# Allegro board Coral-Dev-Board-Mini-layout-Allegro.brd (continued)
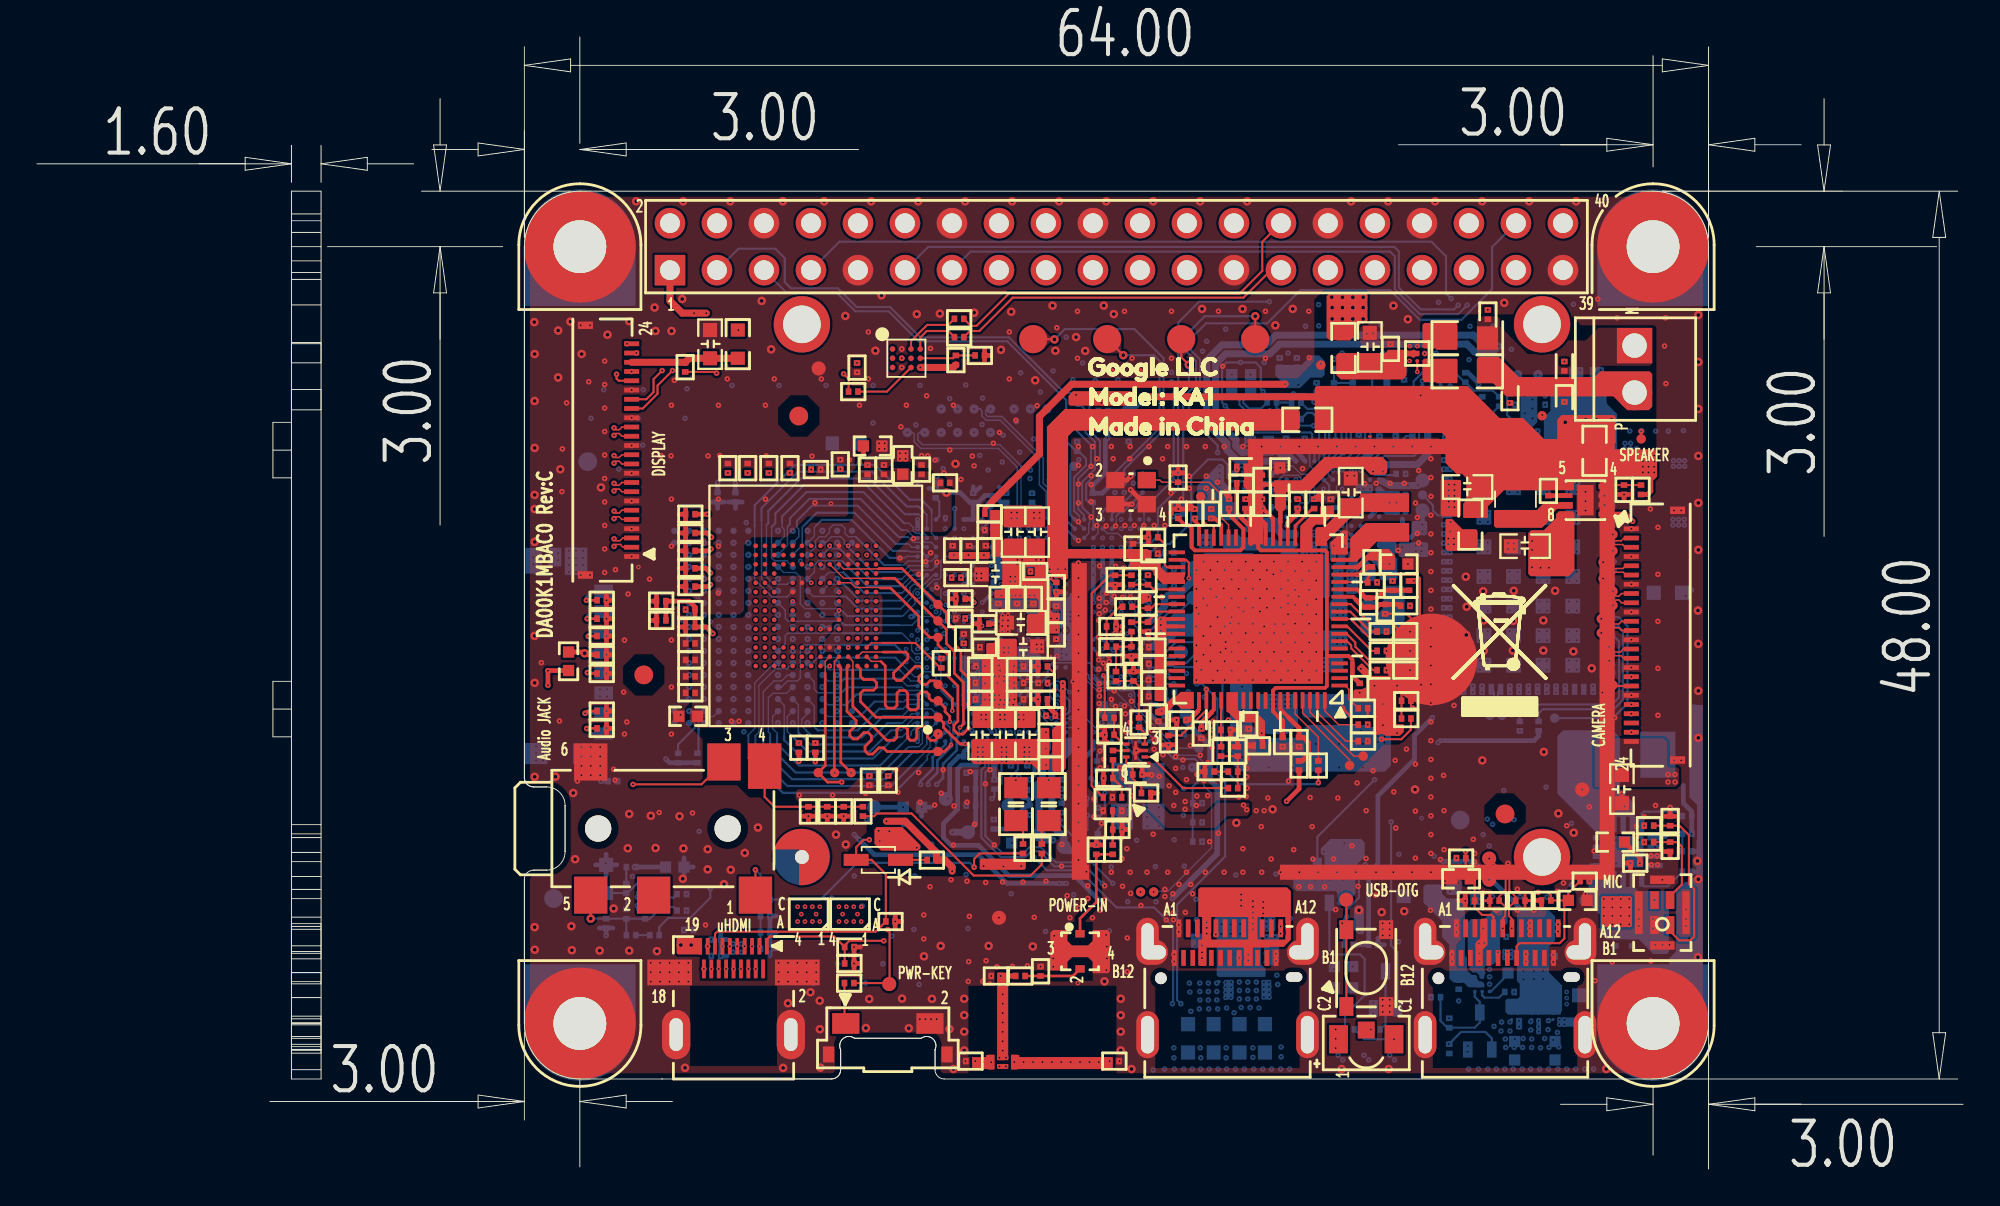
[diagram p0: board, top side]
## Placement (name value [footprint] x y rotation side) (continued)
R132  0_5%  [R0201]  57.28 20.54 90 bottom
R133  0_1%  [R0603]  71.94 31.4 270 bottom
R134  0_5%  [R0201]  87.12 17.67 180 top
R137  1K_1%  [R0201]  43.89 10.05 0 top
R140  0_5%  [R0201]  66.43 36.66 180 bottom
R141  0_5%  [R0201]  87.12 18.56 180 top
R151  *NM  [R0201]  43.9 12 0 top
R152  *NM  [R0201]  76.32 6.5 90 bottom
R153  0_5%  [R0402]  76.63 14.63 90 bottom
R160  0_5%  [R0201]  63.69 31.96 90 bottom
R161  0_5%  [R0201]  61.95 35.66 90 bottom
R162  5.1K_1%  [R0402]  70.61 9.8 180 bottom
R163  5.1K_1%  [R0402]  70.61 10.94 0 bottom
R164  0_5%  [R0201]  44.11 42.03 180 top
R165  *NM  [R0201]  78.11 41.5 270 bottom
R166  *NM  [R0201]  79.02 41.5 270 bottom
R167  0  [R0603]  84.18 38.83 270 top
R168  0_5%  [R0201]  80.14 23.95 270 bottom
R169  *NM  [R0402]  76.96 15.69 0 top
R170  *NM  [R0402]  83.26 14.52 180 top
R171  0_5%  [R0201]  49.66 43.73 90 top
R172  0_5%  [R0201]  49.84 45.97 0 top
R173  0_5%  [R0201]  49.84 44.98 0 top
R174  *NM  [R0201]  50.95 43.99 0 top
R175  0_1%  [R0603]  43.74 39.24 180 bottom
R176  *NM  [R0201]  83.64 15.56 0 top
R177  *NM  [R0201]  76.96 16.81 180 top
R178  0_5%  [R0201]  35.03 43.35 90 top
R179  0_5%  [R0201]  73.88 42.92 90 bottom
R180  *NM  [R0201]  62.71 19.78 0 bottom
R181  *NM  [R0201]  62.71 17.7 180 bottom
R182  0_5%  [R0201]  49.68 31.97 180 top
R183  *NM  [R0201]  59 39.59 270 bottom
SHIELDING  Shielding  [PINGBIAOZHAO-20X24MM]  65.83 27.55 0 top
SW1  TBC  [SW4-6_2X3_5MM-P004000]  45.98 7.87 0 top
SW2  TAH1QR  [SW4-PTS810SJM250SMTRLFS]  71.84 10.86 90 top
TP1  *TP  [TP2050]  85.17 26.16 0 top
TP2  *TP  [TP2050]  70.18 40.99 90 bottom
TP3  *TP  [TP2050]  71.78 40.68 90 bottom
TP4  *TP  [TP2050]  51.49 35.91 180 bottom
TP5  *TP  [TP2050]  71.19 40.99 90 bottom
TP7  *TP  [TP2050]  85.17 30.47 0 top
TP8  *TP  [TP2050]  55.19 37.43 180 bottom
TP9  *TP  [TP2050]  55.42 38.73 180 bottom
TP10  *TP  [TP2050]  56.03 37.99 180 bottom
TP11  *TP  [TP2050]  56.26 41.45 180 bottom
TP12  *TP  [TP2050]  85.17 34.31 0 top
TP13  *TP  [TP2050]  85.17 33.42 0 top
TP14  *TP  [TP2050]  84.64 32.81 0 top
TP15  *TP  [TP2050]  84.64 31.92 0 top
TP16  *TP  [TP2050]  84.97 28.24 0 top
TP17  *TP  [TP2050]  84.97 27.47 0 top
TP18  *TP  [TP2050]  84.54 29.75 0 top
TP19  *TP  [TP2050]  84.54 28.98 0 top
TP20  *TP  [TP2050]  85.17 31.24 0 top
TP21  *TP  [TP2050]  48.69 28.74 0 top
TP22  *TP  [TP2050]  48.69 29.63 0 top
TP23  *TP  [TP2050]  48.69 30.52 0 top
TP24  *TP  [TP2050]  42.22 21.43 0 top
TP25  *TP  [TP2050]  43.11 21.43 0 top
TP26  *TP  [TP2050]  48.69 23.54 0 top
TP27  *TP  [TP2050]  48.69 26.2 0 top
TP28  *TP  [TP2050]  48.69 25.31 0 top
TP29  *TP  [TP2050]  44 21.43 0 top
TP30  *TP  [TP2050]  48.69 22.57 0 top
TP31  *TP  [TP2050]  48.69 24.42 0 top
TP32  *TP  [TP2050]  71.67 22.32 0 top
TP33  *TP  [TP2050]  70.94 21.81 0 top
TP34  *TP  [TP3050]  83.51 20.52 0 top
TP37  *TP  [TP2050]  50.64 39.82 180 bottom
TP38  *TP  [TP2050]  50.64 41.09 180 bottom
TP39  *TP  [TP2050]  49.75 41.09 180 bottom
TP40  *TP  [TP2050]  47.04 39.82 180 bottom
TP41  *TP  [TP2050]  49.75 39.82 180 bottom
TP42  *TP  [TP2050]  51.53 39.82 180 bottom
TP43  *TP  [TP2050]  51.53 41.09 180 bottom
TP44  *TP  [TP2050]  48.87 41.09 180 bottom
TP45  *TP  [TP2050]  47.98 39.82 180 bottom
TP46  *TP  [TP2050]  48.87 39.82 180 bottom
TP47  *TP  [TP3050]  51.99 13.58 0 top
TP48  *TP  [TP3050]  78.48 15.64 0 top
TP49  *TP  [TP3050]  78.48 16.78 0 top
TP50  *TP  [BALL60-NPN]  53.84 44.87 0 top
TP51  *TP  [BALL60-NPN]  57.84 44.87 0 top
TP52  *TP  [BALL60-NPN]  61.84 44.87 0 top
TP53  *TP  [BALL60-NPN]  65.84 44.87 0 top
TP54  *TP  [TP2050]  78.52 24.53 315 bottom
TP55  *TP  [TP2050]  79.17 24.53 315 bottom
TP56  *TP  [TP3050]  42.24 43.28 0 top
TP57  *TP  [TP2050]  62.89 36.35 0 top
TP58  *TP  [TP3050]  46.06 10 0 top
TP59  *TP  [TP3050]  67.18 29.51 180 bottom
TP62  *TP  [TP2050]  53.69 41.09 180 bottom
TP63  *TP  [TP2050]  54.58 41.09 180 bottom
TP64  *TP  [TP2050]  52.8 41.09 180 bottom
TP65  *TP  [TP3050]  73.94 40.68 180 bottom
TP66  *TP  [TP3050]  74.88 35.6 180 bottom
TP67  *TP  [TP3050]  50.31 18.21 180 bottom
TP68  *TP  [TP3050]  59 40.99 180 bottom
TP69  *TP  [TP3050]  86.59 13.79 180 bottom
TP70  *TP  [TP3050]  66.47 28.6 180 bottom
TP72  *TP  [TP3050]  80.44 12.42 180 bottom
TP76  *TP  [TP3050]  64.51 14.63 0 top
TP77  *TP  [TP3050]  65.25 29.41 180 bottom
TP78  *TP  [TP3050]  67.08 23.9 180 bottom
TP79  *TP  [TP3050]  45.24 19.56 180 bottom
TP80  *TP  [TP3050]  49.12 20.01 180 bottom
TP81  *TP  [TP3050]  72.93 40.68 180 bottom
TP82  *TP  [TP3050]  52.5 19.65 180 bottom
TP83  *TP  [TP3050]  64.86 40.31 180 bottom
TP84  *TP  [TP3050]  72.93 41.78 180 bottom
TP85  *TP  [TP3050]  74.88 37.23 180 bottom
TP86  *TP  [TP3050]  55.49 17.42 180 bottom
TP87  *TP  [TP3050]  54.15 18.08 180 bottom
TP88  *TP  [TP3050]  69.06 43.51 180 bottom
TP95  *TP  [TP3050]  62.57 32.5 180 bottom
TP97  *TP  [TP2050]  80.01 42.95 180 bottom
TP98  *TP  [TP2050]  82.02 24.38 180 bottom
TP99  *TP  [TP2050]  74.88 36.44 180 bottom
TP101  *TP  [TP2050]  62.79 22.75 180 bottom
TP102  *TP  [TP2050]  62.45 21.71 180 bottom
TP103  *TP  [TP2050]  60.35 14.98 0 top
TP104  *TP  [TP2050]  59.64 14.98 0 top
TP107  *TP  [TP3050]  70.75 14.56 0 top
TP109  *TP  [TP2050]  81.12 42.95 180 bottom
TP110  *TP  [TP2050]  69.38 43.46 0 top
TP111  *TP  [TP2050]  81.34 40.72 0 top
TP112  *TP  [TP3050]  61.82 27.94 180 bottom
TP113  *TP  [TP3050]  62.49 30.88 180 bottom
TP114  *TP  [TP2050]  86.7 39.48 0 top
U1  MT6392  [TFBGA98-0_5MM-MT6392A]  70.04 35.77 0 bottom
U2  MAX40200  [BGA4-0_35MM-WLP]  80.96 8.25 270 bottom
U3  MAX40200  [BGA4-0_35MM-WLP]  82.1 8.25 270 bottom
U4  MAX40200  [BGA4-0_35MM-WLP]  64.06 10.31 270 bottom
U5  NLSX4378ABFCT1G  [UCSP12-BGA-MAX3390EEBC]  59.01 37.07 90 bottom
U6  MT8167s  [TFBGA406-0_5MM-MT85167S]  53.84 29.12 0 bottom
U7  MAX40200  [BGA4-0_35MM-WLP]  66.1 10.31 270 bottom
U8  MT7658  [QFN76-0_4MM-MT7658]  66 29.74 90 top
U9  EMMC08G-M325-A53  [KLM8G1WEMB-B03]  42.09 30.44 180 top
U11  DP1608-A2455DTA2  [RN2X3-0_5MM-DP1608-A2455DTA2]  58.12 19.73 0 top
U12  PCMF2HDMI2SZ  [WLCSP10_0P4_1P2X1P6MM_SMDP]  41.71 13.78 180 top
U15  SKY13585_679LF  [SOT6-0_35MM-SKY13585_679LF]  59.37 22.63 180 top
U16  SPK0415HM4H-B  [MIC8-SPK0415HM4H-B]  87.84 13.86 180 top
U17  *NM  [DSBGA9-TPA2011D1-YFF]  74.6 44.09 270 top
U18  PCMF2HDMI2SZ  [WLCSP10_0P4_1P2X1P6MM_SMDP]  43.94 13.78 180 top
U20  NX5P3090UK  [WLCSP12_0P4_1P38X1P68MM_SMDP]  78.1 10.19 90 bottom
U21  NLSX4378ABFCT1G  [UCSP12-BGA-MAX3390EEBC]  75.62 41.83 90 bottom
U24  ANT162442DT-2001A2  [ANT162442DT-2001A2-R]  54.34 8.9 180 top
U25  MM8030-2610  [RF-MM8030-2600RK0-4P]  56.37 11.77 0 top
U26  TPS62130ARGTR  [QFN16-3X3-5-17P-TLV62130RGTR]  85.97 17.15 0 bottom
U29  TLV62084DSG  [WSON8-0_5MM-TLV62080DSGR]  83.69 36.16 90 top
U30  A71CH  [A71CH-WLCSP12]  46.99 43.84 0 top
U31  G313-06329-00  [QFN120_0P5_10X15]  80.6 32.84 180 bottom
U32  *NM  [BGA4-0_35MM-WLP]  79.86 8.25 270 bottom
U33  *NM  [BGA4-0_35MM-WLP]  66.24 12.77 0 bottom
U501  LPDDR3BGA178  [FBGA_178P_1100X1150]  39.24 29.31 0 bottom
Y1  XTAL 26MHz  [XTL-2_5X2-1_7X1_3-4P]  59.13 36.6 180 top
Y3  XTAL 26MHZ  [XTL-3_2X2_5-2_2X1_7]  59.49 20.16 270 bottom

## Library data of the parts
C1-C21 C29-C84 C100 C106 C114 C127 C154-C160 C163-C171 C176 C178-C183 C187-C197 C199-C207 C209-C216 C218-C220 C223-C259 C261-C275 C278-C292 C516-C526 = CAP_NON-POL
C22-C24 C95 C99 C105 = CAP_NON-POL: signal model: R0201_ERJ-1GN0R00C
CON1 = HDMI_CONN
D2 = D-LED
D4 = SCHOTTKY_DIODE
ESD1-ESD7 = ZENER-2
HOLE1-HOLE8 = HOLE
J1 = DIP_HEADER_2P
J2 = USB_TYPE_C
J3 J12 = FFCFPC_24P
J4 = AUDIO_CONN
J5 = SD_CONN
J6 = DIP_50P_2R
J7 = CX90B1-24P
L1-L3 L8-L29 = INDUCTOR
NC1-NC5 = SHORTPAD
Q1 Q4 Q5 = MOS-N_3P_ESD
R1-R6 R9-R20 R22-R45 R48-R73 R76-R85 R90-R93 R100 R104-R107 R109-R113 R115-R122 R124 R127-R134 R137 R140 R141 R151-R153 R160-R183 = RES
R96-R99 = RES: signal model: R0201_ERJ-1GN0R00C
R114 = THERMISTOR
SHIELDING = SHIELDING
SW1 SW2 = CN_PTCLG-T-Q-TR12
TP1 TP21-TP33 TP48-TP51 TP57 TP58 TP97 TP99 TP107 = PAD
TP2-TP5 TP7-TP20 TP34 TP37-TP47 TP52-TP56 TP59 TP62-TP70 TP72 TP76-TP88 TP95 TP98 TP101-TP104 TP109-TP114 = TP_BGM
U1 = MT6392
U2-U4 U7 U32 U33 = MAX40200
U5 = W25Q128JVEIM_WSON
U6 = MT8167s
U8 = MT7658
U9 = EMMC_153P
U11 = DP1608-A2455DTA2
U12 U18 = PCMF2HDMI2SZ
U15 = SKY13585_679LF
U16 = SPK0415HM4H-B
U17 = TPA2011D1
U20 = NX5P3090UK_12P
U21 = NLSX4378FCT1G
U24 = ANT162442DT-2001A2
U25 = MM8030-2610
U26 = TPS62130ARGTR_16P
U29 = TLV62084DSG
U30 = A7101CHUK
U31 = EdgeTPU_Module
U501 = LPDDR3BGA178
Y1 = CRYSTAL_4P
Y3 = XTAL: signal model: ?

## Footprints (pads in the part's own frame, mm; a bottom-side part is the same pattern mirrored in y, then rotated)
A71CH-WLCSP12
  round 0.305 smd: A1(-0.75,0.5) A2(-0.25,0.5) A3(0.25,0.5) A4(0.75,0.5) B1(-0.75,0) B2(-0.25,0) B3(0.25,0) B4(0.75,0) C1(-0.75,-0.5) C2(-0.25,-0.5) C3(0.25,-0.5) C4(0.75,-0.5)
ANT162442DT-2001A2-R
  rect 0.35x0.8 smd: 1(1.525,3.12) 4(2.775,3.12)
  rect 0.399x0.259 smd: 2(2.05,2.885) 3(2.25,2.885) 5(2.25,3.355) 6(2.05,3.355)
AUDIO-2SJ2296-000111
  round 1.422 hole 1.422 unplated: (-3.5,0) (3.5,0)
  rect 1.803x2.007 smd: 1(-5,3.6) 2(0.5,3.6) 3(-3.3,-3.6) 5(3.9,3.6) 6(3.9,-3.6)
  rect 1.803x2.464 smd: 4(-5.5,-3.375)
BALL60-NPN
  round 1.524 smd: 1(0,0)
BGA4-0_35MM-WLP
  round 0.178 smd: A1(-0.175,0.175) A2(0.175,0.175) B1(-0.175,-0.175) B2(0.175,-0.175)
C0201
  rect 0.305x0.356 smd: 1(-0.254,0) 2(0.254,0)
C0402
  rect 0.61x0.61 smd: 1(-0.5,0) 2(0.5,0)
C0603
  rect 0.762x0.762 smd: 1(-0.762,0) 2(0.762,0)
C0805
  rect 1.143x1.27 smd: 1(-0.889,0) 2(0.889,0)
CHOKE-PCMB051H-3R3MS
  rect 1.905x2.489 smd: 1(-2.047,0) 2(2.047,0)
DSBGA9-TPA2011D1-YFF
  round 0.203 smd: A1(-0.4,-0.4) A2(-0.4,0) A3(-0.4,0.4) B1(0,-0.4) B2(0,0) B3(0,0.4) C1(0.4,-0.4) C2(0.4,0) C3(0.4,0.4)
FBGA_178P_1100X1150
  round 0.35 smd: A1(-4.8,5.2) A2(-4,5.2) A3(-3.2,5.2) A4(-2.4,5.2) A5(-1.6,5.2) A6(-0.8,5.2) A8(0.8,5.2) A9(1.6,5.2) A10(2.4,5.2) A11(3.2,5.2) A12(4,5.2) A13(4.8,5.2) B1(-4.8,4.55) B2(-4,4.55) B3(-3.2,4.55) B4(-2.4,4.55) B5(-1.6,4.55) B6(-0.8,4.55) B8(0.8,4.55) B9(1.6,4.55) B10(2.4,4.55) B11(3.2,4.55) B12(4,4.55) B13(4.8,4.55) C2(-4,3.9) C3(-3.2,3.9) C4(-2.4,3.9) C5(-1.6,3.9) C6(-0.8,3.9) C8(0.8,3.9) C9(1.6,3.9) C10(2.4,3.9) C11(3.2,3.9) C12(4,3.9) D2(-4,3.25) D3(-3.2,3.25) D4(-2.4,3.25) D5(-1.6,3.25) D6(-0.8,3.25) D8(0.8,3.25) D9(1.6,3.25) D10(2.4,3.25) D11(3.2,3.25) D12(4,3.25) E2(-4,2.6) E3(-3.2,2.6) E4(-2.4,2.6) E5(-1.6,2.6) E6(-0.8,2.6) E8(0.8,2.6) E9(1.6,2.6) E10(2.4,2.6) E11(3.2,2.6) E12(4,2.6) F2(-4,1.95) F3(-3.2,1.95) F4(-2.4,1.95) F5(-1.6,1.95) F6(-0.8,1.95) F8(0.8,1.95) F9(1.6,1.95) F10(2.4,1.95) F11(3.2,1.95) F12(4,1.95) G2(-4,1.3) G3(-3.2,1.3) G4(-2.4,1.3) G5(-1.6,1.3) G6(-0.8,1.3) G8(0.8,1.3) G9(1.6,1.3) G10(2.4,1.3) G11(3.2,1.3) G12(4,1.3) H2(-4,0.65) H3(-3.2,0.65) H4(-2.4,0.65) H5(-1.6,0.65) H6(-0.8,0.65) H8(0.8,0.65) H9(1.6,0.65) H10(2.4,0.65) H11(3.2,0.65) H12(4,0.65) J2(-4,0) J3(-3.2,0) J4(-2.4,0) J5(-1.6,0) J6(-0.8,0) J8(0.8,0) J9(1.6,0) J10(2.4,0) J11(3.2,0) J12(4,0) K2(-4,-0.65) K3(-3.2,-0.65) K4(-2.4,-0.65) K5(-1.6,-0.65) K6(-0.8,-0.65) K8(0.8,-0.65) K9(1.6,-0.65) K10(2.4,-0.65) K11(3.2,-0.65) K12(4,-0.65) L2(-4,-1.3) L3(-3.2,-1.3) L4(-2.4,-1.3) L5(-1.6,-1.3) L6(-0.8,-1.3) L8(0.8,-1.3) L9(1.6,-1.3) L10(2.4,-1.3) L11(3.2,-1.3) L12(4,-1.3) M2(-4,-1.95) M3(-3.2,-1.95) M4(-2.4,-1.95) M5(-1.6,-1.95) M6(-0.8,-1.95) M8(0.8,-1.95) M9(1.6,-1.95) M10(2.4,-1.95) M11(3.2,-1.95) M12(4,-1.95) N2(-4,-2.6) N3(-3.2,-2.6) N4(-2.4,-2.6) N5(-1.6,-2.6) N6(-0.8,-2.6) N8(0.8,-2.6) N9(1.6,-2.6) N10(2.4,-2.6) N11(3.2,-2.6) N12(4,-2.6) P2(-4,-3.25) P3(-3.2,-3.25) P4(-2.4,-3.25) P5(-1.6,-3.25) P6(-0.8,-3.25) P8(0.8,-3.25) P9(1.6,-3.25) P10(2.4,-3.25) P11(3.2,-3.25) P12(4,-3.25) R2(-4,-3.9) R3(-3.2,-3.9) R4(-2.4,-3.9) R5(-1.6,-3.9) R6(-0.8,-3.9) R8(0.8,-3.9) R9(1.6,-3.9) R10(2.4,-3.9) R11(3.2,-3.9) R12(4,-3.9) T1(-4.8,-4.55) T2(-4,-4.55) T3(-3.2,-4.55) T4(-2.4,-4.55) T5(-1.6,-4.55) T6(-0.8,-4.55) T8(0.8,-4.55) T9(1.6,-4.55) T10(2.4,-4.55) T11(3.2,-4.55) T12(4,-4.55) T13(4.8,-4.55) U1(-4.8,-5.2) U2(-4,-5.2) U3(-3.2,-5.2) U4(-2.4,-5.2) U5(-1.6,-5.2) U6(-0.8,-5.2) U8(0.8,-5.2) U9(1.6,-5.2) U10(2.4,-5.2) U11(3.2,-5.2) U12(4,-5.2) U13(4.8,-5.2)
FPC24-0_5-14_18X4_71MM
  rect 0.254x0.813 smd: 1(5.75,0) 2(5.25,0) 3(4.75,0) 4(4.25,0) 5(3.75,0) 6(3.25,0) 7(2.75,0) 8(2.25,0) 9(1.75,0) 10(1.25,0) 11(0.75,0) 12(0.25,0) 13(-0.25,0) 14(-0.75,0) 15(-1.25,0) 16(-1.75,0) 17(-2.25,0) 18(-2.75,0) 19(-3.25,0) 20(-3.75,0) 21(-4.25,0) 22(-4.75,0) 23(-5.25,0) 24(-5.75,0)
  rect 0.406x0.813 smd: 25(-6.75,-2.5) 26(6.75,-2.5)
HD2X20-2_54MM-HEADER
  rect 1.651x1.651 hole 1.067: 1(-24.13,-1.27)
  round 1.651 hole 1.067: 2(-24.13,1.27) 3(-21.59,-1.27) 4(-21.59,1.27) 5(-19.05,-1.27) 6(-19.05,1.27) 7(-16.51,-1.27) 8(-16.51,1.27) 9(-13.97,-1.27) 10(-13.97,1.27) 11(-11.43,-1.27) 12(-11.43,1.27) 13(-8.89,-1.27) 14(-8.89,1.27) 15(-6.35,-1.27) 16(-6.35,1.27) 17(-3.81,-1.27) 18(-3.81,1.27) 19(-1.27,-1.27) 20(-1.27,1.27) 21(1.27,-1.27) 22(1.27,1.27) 23(3.81,-1.27) 24(3.81,1.27) 25(6.35,-1.27) 26(6.35,1.27) 27(8.89,-1.27) 28(8.89,1.27) 29(11.43,-1.27) 30(11.43,1.27) 31(13.97,-1.27) 32(13.97,1.27) 33(16.51,-1.27) 34(16.51,1.27) 35(19.05,-1.27) 36(19.05,1.27) 37(21.59,-1.27) 38(21.59,1.27) 39(24.13,-1.27) 40(24.13,1.27)
HDMI19-0_4MM-MICRO-10118241
  rect 0.203x0.889 smd: 1(1.8,3.325) 3(1.4,3.325) 5(1,3.325) 7(0.6,3.325) 9(0.2,3.325) 11(-0.2,3.325) 13(-0.6,3.325) 15(-1,3.325) 17(-1.4,3.325) 19(-1.8,3.325)
  rect 0.203x1.016 smd: 2(1.6,2.1) 4(1.2,2.1) 6(0.8,2.1) 8(0.4,2.1) 10(0,2.1) 12(-0.4,2.1) 14(-0.8,2.1) 16(-1.2,2.1) 18(-1.6,2.1)
  rect 2.413x1.397 smd: 21(-3.45,1.91) 22(3.45,1.91)
  oval 1.524x2.667 hole 0.711x1.778: 23(-3.1,-1.45) 24(3.1,-1.45)
HOLE120-80
  custom 3.048x2.991 hole 2.032: 1(0,0)
HOLE120-80#2
  round 3.048 hole 2.032: 1(0,0)
HOLE238-112
  round 6.045 hole 2.845: 1(0,0)
KLM8G1WEMB-B03
  round 0.254 smd: A1(-3.25,3.25) A2(-2.75,3.25) A3(-2.25,3.25) A4(-1.75,3.25) A5(-1.25,3.25) A6(-0.75,3.25) A7(-0.25,3.25) A8(0.25,3.25) A9(0.75,3.25) A10(1.25,3.25) A11(1.75,3.25) A12(2.25,3.25) A13(2.75,3.25) A14(3.25,3.25) B1(-3.25,2.75) B2(-2.75,2.75) B3(-2.25,2.75) B4(-1.75,2.75) B5(-1.25,2.75) B6(-0.75,2.75) B7(-0.25,2.75) B8(0.25,2.75) B9(0.75,2.75) B10(1.25,2.75) B11(1.75,2.75) B12(2.25,2.75) B13(2.75,2.75) B14(3.25,2.75) C1(-3.25,2.25) C2(-2.75,2.25) C3(-2.25,2.25) C4(-1.75,2.25) C5(-1.25,2.25) C6(-0.75,2.25) C7(-0.25,2.25) C8(0.25,2.25) C9(0.75,2.25) C10(1.25,2.25) C11(1.75,2.25) C12(2.25,2.25) C13(2.75,2.25) C14(3.25,2.25) D1(-3.25,1.75) D2(-2.75,1.75) D3(-2.25,1.75) D4(-1.75,1.75) D12(2.25,1.75) D13(2.75,1.75) D14(3.25,1.75) E1(-3.25,1.25) E2(-2.75,1.25) E3(-2.25,1.25) E5(-1.25,1.25) E6(-0.75,1.25) E7(-0.25,1.25) E8(0.25,1.25) E9(0.75,1.25) E10(1.25,1.25) E12(2.25,1.25) E13(2.75,1.25) E14(3.25,1.25) F1(-3.25,0.75) F2(-2.75,0.75) F3(-2.25,0.75) F5(-1.25,0.75) F10(1.25,0.75) F12(2.25,0.75) F13(2.75,0.75) F14(3.25,0.75) G1(-3.25,0.25) G2(-2.75,0.25) G3(-2.25,0.25) G5(-1.25,0.25) G10(1.25,0.25) G12(2.25,0.25) G13(2.75,0.25) G14(3.25,0.25) H1(-3.25,-0.25) H2(-2.75,-0.25) H3(-2.25,-0.25) H5(-1.25,-0.25) H10(1.25,-0.25) H12(2.25,-0.25) H13(2.75,-0.25) H14(3.25,-0.25) J1(-3.25,-0.75) J2(-2.75,-0.75) J3(-2.25,-0.75) J5(-1.25,-0.75) J10(1.25,-0.75) J12(2.25,-0.75) J13(2.75,-0.75) J14(3.25,-0.75) K1(-3.25,-1.25) K2(-2.75,-1.25) K3(-2.25,-1.25) K5(-1.25,-1.25) K6(-0.75,-1.25) K7(-0.25,-1.25) K8(0.25,-1.25) K9(0.75,-1.25) K10(1.25,-1.25) K12(2.25,-1.25) K13(2.75,-1.25) K14(3.25,-1.25) L1(-3.25,-1.75) L2(-2.75,-1.75) L3(-2.25,-1.75) L12(2.25,-1.75) L13(2.75,-1.75) L14(3.25,-1.75) M1(-3.25,-2.25) M2(-2.75,-2.25) M3(-2.25,-2.25) M4(-1.75,-2.25) M5(-1.25,-2.25) M6(-0.75,-2.25) M7(-0.25,-2.25) M8(0.25,-2.25) M9(0.75,-2.25) M10(1.25,-2.25) M11(1.75,-2.25) M12(2.25,-2.25) M13(2.75,-2.25) M14(3.25,-2.25) N1(-3.25,-2.75) N2(-2.75,-2.75) N3(-2.25,-2.75) N4(-1.75,-2.75) N5(-1.25,-2.75) N6(-0.75,-2.75) N7(-0.25,-2.75) N8(0.25,-2.75) N9(0.75,-2.75) N10(1.25,-2.75) N11(1.75,-2.75) N12(2.25,-2.75) N13(2.75,-2.75) N14(3.25,-2.75) P1(-3.25,-3.25) P2(-2.75,-3.25) P3(-2.25,-3.25) P4(-1.75,-3.25) P5(-1.25,-3.25) P6(-0.75,-3.25) P7(-0.25,-3.25) P8(0.25,-3.25) P9(0.75,-3.25) P10(1.25,-3.25) P11(1.75,-3.25) P12(2.25,-3.25) P13(2.75,-3.25) P14(3.25,-3.25)
L2_5X2-1-HTEN25201T
  rect 0.991x2.108 smd: 1(-0.8,0) 2(0.8,0)
L0201
  rect 0.305x0.356 smd: 1(-0.254,0) 2(0.254,0)
L2520
  rect 0.813x2.21 smd: 1(-0.997,0) 2(0.997,0)
LED3-S326KGJRKT-SMD
  rect 1.016x1.524 smd: A(1.5,0) C1(-1.5,0)
  rect 0.914x0.914 smd: C2(0,-0.5)
MIC8-SPK0415HM4H-B
  rect 0.457x0.965 smd: 1(0.425,-0.675) 2(0.425,0.675) 3(-0.425,0.675) 4(-0.425,-0.675)
  rect 1.321x0.457 smd: 5(0,-1.775) 7(0,1.775)
  rect 0.406x2.311 smd: 6(1.275,0) 8(-1.275,0)
NC_MMD_L3_4MIL
  rect 0.102x0.102 smd: 1(-0.051,0) 2(0.051,0)
NC_MMD_L8_4MIL
  rect 0.102x0.102 smd: 1(-0.051,0) 2(0.051,0)
PINGBIAOZHAO-20X24MM
  custom 19.812x23.825 smd: 1(9.525,0)
  custom 0.933x17.12 smd: 2(-9.439,-3.353)
QFN16-3X3-5-17P-TLV62130RGTR
  rect 0.279x0.838 smd: 1(-0.75,-1.475) 2(-0.25,-1.475) 3(0.25,-1.475) 4(0.75,-1.475) 9(0.75,1.475) 10(0.25,1.475) 11(-0.25,1.475) 12(-0.75,1.475)
  rect 0.838x0.279 smd: 5(1.475,-0.75) 6(1.475,-0.25) 7(1.475,0.25) 8(1.475,0.75) 13(-1.475,0.75) 14(-1.475,0.25) 15(-1.475,-0.25) 16(-1.475,-0.75)
  rect 1.702x1.702 smd: 17(0,0)
QFN76-0_4MM-MT7658
  rect 0.203x0.889 smd: 1(-3.6,-4.4) 2(-3.2,-4.4) 3(-2.8,-4.4) 4(-2.4,-4.4) 5(-2,-4.4) 6(-1.6,-4.4) 7(-1.2,-4.4) 8(-0.8,-4.4) 9(-0.4,-4.4) 10(0,-4.4) 11(0.4,-4.4) 12(0.8,-4.4) 13(1.2,-4.4) 14(1.6,-4.4) 15(2,-4.4) 16(2.4,-4.4) 17(2.8,-4.4) 18(3.2,-4.4) 19(3.6,-4.4) 39(3.6,4.4) 40(3.2,4.4) 41(2.8,4.4) 42(2.4,4.4) 43(2,4.4) 44(1.6,4.4) 45(1.2,4.4) 46(0.8,4.4) 47(0.4,4.4) 48(0,4.4) 49(-0.4,4.4) 50(-0.8,4.4) 51(-1.2,4.4) 52(-1.6,4.4) 53(-2,4.4) 54(-2.4,4.4) 55(-2.8,4.4) 56(-3.2,4.4) 57(-3.6,4.4)
  rect 0.889x0.203 smd: 20(4.4,-3.6) 21(4.4,-3.2) 22(4.4,-2.8) 23(4.4,-2.4) 24(4.4,-2) 25(4.4,-1.6) 26(4.4,-1.2) 27(4.4,-0.8) 28(4.4,-0.4) 29(4.4,0) 30(4.4,0.4) 31(4.4,0.8) 32(4.4,1.2) 33(4.4,1.6) 34(4.4,2) 35(4.4,2.4) 36(4.4,2.8) 37(4.4,3.2) 38(4.4,3.6) 58(-4.4,3.6) 59(-4.4,3.2) 60(-4.4,2.8) 61(-4.4,2.4) 62(-4.4,2) 63(-4.4,1.6) 64(-4.4,1.2) 65(-4.4,0.8) 66(-4.4,0.4) 67(-4.4,0) 68(-4.4,-0.4) 69(-4.4,-0.8) 70(-4.4,-1.2) 71(-4.4,-1.6) 72(-4.4,-2) 73(-4.4,-2.4) 74(-4.4,-2.8) 75(-4.4,-3.2) 76(-4.4,-3.6)
  rect 7.01x7.01 smd: 77(0,0)
QFN120_0P5_10X15
  rect 0.3x0.6 smd: 1(-4.5,-6.9) 2(-4,-6.9) 3(-3.5,-6.9) 4(-3,-6.9) 5(-2.5,-6.9) 6(-2,-6.9) 7(-1.5,-6.9) 8(-1,-6.9) 9(-0.5,-6.9) 10(0,-6.9) 11(0.5,-6.9) 12(1,-6.9) 13(1.5,-6.9) 14(2,-6.9) 15(2.5,-6.9) 16(3,-6.9) 17(3.5,-6.9) 18(4,-6.9) 19(4.5,-6.9) 45(4.5,6.9) 46(4,6.9) 47(3.5,6.9) 48(3,6.9) 49(2.5,6.9) 50(2,6.9) 51(1.5,6.9) 52(1,6.9) 53(0.5,6.9) 54(0,6.9) 55(-0.5,6.9) 56(-1,6.9) 57(-1.5,6.9) 58(-2,6.9) 59(-2.5,6.9) 60(-3,6.9) 61(-3.5,6.9) 62(-4,6.9) 63(-4.5,6.9)
  rect 0.6x0.3 smd: 20(4.4,-6) 21(4.4,-5.5) 22(4.4,-5) 23(4.4,-4.5) 24(4.4,-4) 25(4.4,-3.5) 26(4.4,-3) 27(4.4,-2.5) 28(4.4,-2) 29(4.4,-1.5) 30(4.4,-1) 31(4.4,-0.5) 32(4.4,0) 33(4.4,0.5) 34(4.4,1) 35(4.4,1.5) 36(4.4,2) 37(4.4,2.5) 38(4.4,3) 39(4.4,3.5) 40(4.4,4) 41(4.4,4.5) 42(4.4,5) 43(4.4,5.5) 44(4.4,6) 64(-4.4,6) 65(-4.4,5.5) 66(-4.4,5) 67(-4.4,4.5) 68(-4.4,4) 69(-4.4,3.5) 70(-4.4,3) 71(-4.4,2.5) 72(-4.4,2) 73(-4.4,1.5) 74(-4.4,1) 75(-4.4,0.5) 76(-4.4,0) 77(-4.4,-0.5) 78(-4.4,-1) 79(-4.4,-1.5) 80(-4.4,-2) 81(-4.4,-2.5) 82(-4.4,-3) 83(-4.4,-3.5) 84(-4.4,-4) 85(-4.4,-4.5) 86(-4.4,-5) 87(-4.4,-5.5) 88(-4.4,-6)
  rect 0.8x0.8 smd: 89(-2.401,-5.6) 90(-0.801,-5.6) 91(0.8,-5.6) 92(2.4,-5.6) 93(2.4,-4) 94(2.4,-2.4) 95(2.4,-0.8) 96(2.4,0.8) 97(2.4,2.4) 98(2.4,4) 99(2.4,5.6) 100(0.8,5.6) 101(-0.801,5.6) 102(-2.401,5.6) 103(-2.401,4) 104(-2.401,2.4) 105(-2.401,0.8) 106(-2.401,-0.8) 107(-2.401,-2.4) 108(-2.401,-4) 109(-0.801,-4) 110(0.8,-4) 111(0.8,-2.4) 112(0.8,-0.8) 113(0.8,0.8) 114(0.8,2.4) 115(0.8,4) 116(-0.801,4) 117(-0.801,2.4) 118(-0.801,0.8) 119(-0.801,-0.8) 120(-0.801,-2.4)
R0201
  rect 0.305x0.356 smd: 1(-0.254,0) 2(0.254,0)
R0402
  rect 0.61x0.61 smd: 1(-0.5,0) 2(0.5,0)
R0603
  rect 0.711x0.762 smd: 1(-0.762,0) 2(0.762,0)
R0805
  rect 1.143x1.27 smd: 1(-1.1,0) 2(1.1,0)
RF-MM8030-2600RK0-4P
  rect 0.508x0.406 smd: 1(0,0.95) 2(0,-0.95)
  custom 0.7x1.1 smd: 3(-0.8,0) 4(0.8,0)
RN2X3-0_5MM-DP1608-A2455DTA2
  rect 0.279x0.381 smd: 1(0.5,0.362) 2(0,0.362) 3(-0.5,0.362) 4(-0.5,-0.362) 5(0,-0.362) 6(0.5,-0.362)
SD8-1_1MM-MICRO-475710001
  rect 0.711x1.016 smd: 1(3.575,1.895) 2(2.475,1.895) 3(1.375,1.895) 4(0.275,1.895) 5(-0.825,1.895) 6(-1.925,1.895) 7(-3.025,1.895)
  rect 0.66x1.016 smd: 8(-4.125,1.895)
  rect 1.092x1.219 smd: G1(-5.2,0.845)
  rect 1.143x1.219 smd: G2(-5.2,-1.745)
  rect 1.473x1.219 smd: G3(5.2,0.405)
  rect 1.016x0.711 smd: G4(5.425,-0.745)
  rect 1.397x0.889 smd: G5(5.225,-1.895)
SIP2-2_54-S4702A1210110
  rect 1.905x1.905 hole 1.321: N(-1.27,-0.2)
  round 1.905 hole 1.321: P(1.27,-0.2)
SOD323
  rect 1.35x0.65 smd: A(-1.2,0) C(1.2,0)
SOT6-0_35MM-SKY13585_679LF
  rect 0.356x0.178 smd: 1(-0.5,0.35) 3(-0.5,-0.35) 4(0.5,-0.35) 5(0.5,0) 6(0.5,0.35) 7(-0.06,0)
  custom 0.8x1 smd: 2(-0.275,0)
SOT23-3PIN-0_65-BAM00010001
  rect 0.508x0.889 smd: 1(-0.65,-1) 2(0.65,-1) 3(0,1)
SW4-6_2X3_5MM-P004000
  rect 1.473x1.118 smd: 1(-2.275,0) 2(2.275,0)
  rect 0.61x0.864 smd: 3(-3.2,-1.675) 4(3.2,-1.675)
SW4-PTS810SJM250SMTRLFS
  rect 1.016x0.762 smd: 1(-2.075,1.075) 2(2.075,1.075) 3(-2.075,-1.075) 4(2.075,-1.075)
TFBGA98-0_5MM-MT6392A
  round 0.254 smd: A1(-2.5,-2.5) A2(-2.5,-2) A3(-2.5,-1.5) A4(-2.5,-1) A5(-2.5,-0.5) A6(-2.5,0) A7(-2.5,0.5) A8(-2.5,1) A9(-2.5,1.5) A10(-2.5,2) A11(-2.5,2.5) B1(-2,-2.5) B3(-2,-1.5) B5(-2,-0.5) B6(-2,0) B7(-2,0.5) B8(-2,1) B9(-2,1.5) B10(-2,2) B11(-2,2.5) C1(-1.5,-2.5) C3(-1.5,-1.5) C4(-1.5,-1) C5(-1.5,-0.5) C6(-1.5,0) C7(-1.5,0.5) C10(-1.5,2) C11(-1.5,2.5) D1(-1,-2.5) D2(-1,-2) D3(-1,-1.5) D5(-1,-0.5) D7(-1,0.5) D9(-1,1.5) D10(-1,2) D11(-1,2.5) E1(-0.5,-2.5) E2(-0.5,-2) E3(-0.5,-1.5) E4(-0.5,-1) E5(-0.5,-0.5) E7(-0.5,0.5) E9(-0.5,1.5) E10(-0.5,2) E11(-0.5,2.5) F1(0,-2.5) F2(0,-2) F3(0,-1.5) F5(0,-0.5) F6(0,0) F7(0,0.5) F8(0,1) F9(0,1.5) F10(0,2) F11(0,2.5) G1(0.5,-2.5) G2(0.5,-2) G4(0.5,-1) G6(0.5,0) G8(0.5,1) G11(0.5,2.5) H1(1,-2.5) H2(1,-2) H3(1,-1.5) H5(1,-0.5) H6(1,0) H8(1,1) H9(1,1.5) H10(1,2) H11(1,2.5) J1(1.5,-2.5) J2(1.5,-2) J5(1.5,-0.5) J8(1.5,1) J9(1.5,1.5) J10(1.5,2) J11(1.5,2.5) K1(2,-2.5) K2(2,-2) K3(2,-1.5) K4(2,-1) K5(2,-0.5) K6(2,0) K7(2,0.5) K8(2,1) K9(2,1.5) K10(2,2) K11(2,2.5) L1(2.5,-2.5) L2(2.5,-2) L3(2.5,-1.5) L4(2.5,-1) L6(2.5,0) L7(2.5,0.5) L8(2.5,1) L9(2.5,1.5) L10(2.5,2) L11(2.5,2.5)
TFBGA406-0_5MM-MT85167S
  round 0.254 smd: A1(-6.25,-6) A2(-6.25,-5.5) A3(-6.25,-5) A4(-6.25,-4.5) A5(-6.25,-4) A7(-6.25,-3) A8(-6.25,-2.5) A9(-6.25,-2) A11(-6.25,-1) A13(-6.25,0) A14(-6.25,0.5) A15(-6.25,1) A16(-6.25,1.5) A17(-6.25,2) A19(-6.25,3) A20(-6.25,3.5) A21(-6.25,4) A22(-6.25,4.5) A23(-6.25,5) A24(-6.25,5.5) A25(-6.25,6) AA1(3.75,-6) AA2(3.75,-5.5) AA3(3.75,-5) AA4(3.75,-4.5) AA5(3.75,-4) AA6(3.75,-3.5) AA7(3.75,-3) AA8(3.75,-2.5) AA9(3.75,-2) AA10(3.75,-1.5) AA11(3.75,-1) AA14(3.75,0.5) AA15(3.75,1) AA18(3.75,2.5) AA23(3.75,5) AA24(3.75,5.5) AA25(3.75,6) AB1(4.25,-6) AB2(4.25,-5.5) AB3(4.25,-5) AB4(4.25,-4.5) AB5(4.25,-4) AB6(4.25,-3.5) AB7(4.25,-3) AB8(4.25,-2.5) AB10(4.25,-1.5) AB11(4.25,-1) AB14(4.25,0.5) AB15(4.25,1) AB18(4.25,2.5) AB21(4.25,4) AB23(4.25,5) AB25(4.25,6) AC1(4.75,-6) AC2(4.75,-5.5) AC4(4.75,-4.5) AC5(4.75,-4) AC8(4.75,-2.5) AC10(4.75,-1.5) AC11(4.75,-1) AC14(4.75,0.5) AC15(4.75,1) AC18(4.75,2.5) AC21(4.75,4) AC22(4.75,4.5) AC25(4.75,6) AD1(5.25,-6) AD2(5.25,-5.5) AD3(5.25,-5) AD4(5.25,-4.5) AD5(5.25,-4) AD6(5.25,-3.5) AD7(5.25,-3) AD8(5.25,-2.5) AD9(5.25,-2) AD10(5.25,-1.5) AD12(5.25,-0.5) AD13(5.25,0) AD14(5.25,0.5) AD15(5.25,1) AD16(5.25,1.5) AD19(5.25,3) AD20(5.25,3.5) AD22(5.25,4.5) AD23(5.25,5) AD24(5.25,5.5) AD25(5.25,6) AE1(5.75,-6) AE2(5.75,-5.5) AE3(5.75,-5) AE7(5.75,-3) AE8(5.75,-2.5) AE9(5.75,-2) AE10(5.75,-1.5) AE11(5.75,-1) AE12(5.75,-0.5) AE13(5.75,0) AE14(5.75,0.5) AE15(5.75,1) AE16(5.75,1.5) AE17(5.75,2) AE18(5.75,2.5) AE19(5.75,3) AE20(5.75,3.5) AE21(5.75,4) AE23(5.75,5) AE24(5.75,5.5) AE25(5.75,6) AF1(6.25,-6) AF2(6.25,-5.5) AF3(6.25,-5) AF8(6.25,-2.5) AF9(6.25,-2) AF11(6.25,-1) AF12(6.25,-0.5) AF14(6.25,0.5) AF15(6.25,1) AF17(6.25,2) AF18(6.25,2.5) AF19(6.25,3) AF21(6.25,4) AF22(6.25,4.5) AF25(6.25,6) B2(-5.75,-5.5) B3(-5.75,-5) B4(-5.75,-4.5) B5(-5.75,-4) B6(-5.75,-3.5) B7(-5.75,-3) B9(-5.75,-2) B10(-5.75,-1.5) B11(-5.75,-1) B12(-5.75,-0.5) B13(-5.75,0) B14(-5.75,0.5) B15(-5.75,1) B16(-5.75,1.5) B17(-5.75,2) B18(-5.75,2.5) B19(-5.75,3) B20(-5.75,3.5) B21(-5.75,4) B22(-5.75,4.5) B23(-5.75,5) B24(-5.75,5.5) C1(-5.25,-6) C3(-5.25,-5) C4(-5.25,-4.5) C5(-5.25,-4) C6(-5.25,-3.5) C7(-5.25,-3) C8(-5.25,-2.5) C10(-5.25,-1.5) C11(-5.25,-1) C12(-5.25,-0.5) C13(-5.25,0) C15(-5.25,1) C16(-5.25,1.5) C19(-5.25,3) C21(-5.25,4) C22(-5.25,4.5) C23(-5.25,5) C24(-5.25,5.5) C25(-5.25,6) D1(-4.75,-6) D2(-4.75,-5.5) D3(-4.75,-5) D7(-4.75,-3) D9(-4.75,-2) D11(-4.75,-1) D12(-4.75,-0.5) D15(-4.75,1) D16(-4.75,1.5) D19(-4.75,3) D21(-4.75,4) D23(-4.75,5) D24(-4.75,5.5) D25(-4.75,6) E2(-4.25,-5.5) E3(-4.25,-5) E5(-4.25,-4) E7(-4.25,-3) E9(-4.25,-2) E11(-4.25,-1) E12(-4.25,-0.5) E15(-4.25,1) E16(-4.25,1.5) E19(-4.25,3) E21(-4.25,4) E23(-4.25,5) E24(-4.25,5.5) F1(-3.75,-6) F2(-3.75,-5.5) F5(-3.75,-4) F7(-3.75,-3) F8(-3.75,-2.5) F9(-3.75,-2) F12(-3.75,-0.5) F15(-3.75,1) F16(-3.75,1.5) F17(-3.75,2) F18(-3.75,2.5) F20(-3.75,3.5) F21(-3.75,4) F23(-3.75,5) F24(-3.75,5.5) F25(-3.75,6) G1(-3.25,-6) G3(-3.25,-5) G4(-3.25,-4.5) G5(-3.25,-4) G6(-3.25,-3.5) G7(-3.25,-3) G8(-3.25,-2.5) G9(-3.25,-2) G10(-3.25,-1.5) G12(-3.25,-0.5) G15(-3.25,1) G17(-3.25,2) G20(-3.25,3.5) G21(-3.25,4) G22(-3.25,4.5) G23(-3.25,5) G24(-3.25,5.5) G25(-3.25,6) H1(-2.75,-6) H2(-2.75,-5.5) H3(-2.75,-5) H10(-2.75,-1.5) H11(-2.75,-1) H18(-2.75,2.5) H20(-2.75,3.5) H24(-2.75,5.5) H25(-2.75,6) J2(-2.25,-5.5) J3(-2.25,-5) J4(-2.25,-4.5) J5(-2.25,-4) J6(-2.25,-3.5) J7(-2.25,-3) J9(-2.25,-2) J10(-2.25,-1.5) J12(-2.25,-0.5) J15(-2.25,1) J18(-2.25,2.5) J19(-2.25,3) J20(-2.25,3.5) J21(-2.25,4) J23(-2.25,5) J24(-2.25,5.5) K1(-1.75,-6) K2(-1.75,-5.5) K8(-1.75,-2.5) K9(-1.75,-2) K10(-1.75,-1.5) K11(-1.75,-1) K12(-1.75,-0.5) K13(-1.75,0) K14(-1.75,0.5) K16(-1.75,1.5) K17(-1.75,2) K18(-1.75,2.5) K19(-1.75,3) K20(-1.75,3.5) K21(-1.75,4) K23(-1.75,5) K24(-1.75,5.5) K25(-1.75,6) L2(-1.25,-5.5) L3(-1.25,-5) L9(-1.25,-2) L15(-1.25,1) L23(-1.25,5) L24(-1.25,5.5) L25(-1.25,6) M1(-0.75,-6) M2(-0.75,-5.5) M3(-0.75,-5) M4(-0.75,-4.5) M5(-0.75,-4) M6(-0.75,-3.5) M9(-0.75,-2) M12(-0.75,-0.5) M13(-0.75,0) M16(-0.75,1.5) M18(-0.75,2.5) M20(-0.75,3.5) M21(-0.75,4) M22(-0.75,4.5) M23(-0.75,5) M24(-0.75,5.5) N2(-0.25,-5.5) N3(-0.25,-5) N4(-0.25,-4.5) N5(-0.25,-4) N6(-0.25,-3.5) N9(-0.25,-2) N10(-0.25,-1.5) N11(-0.25,-1) N12(-0.25,-0.5) N13(-0.25,0) N14(-0.25,0.5) N18(-0.25,2.5) N20(-0.25,3.5) N22(-0.25,4.5) N23(-0.25,5) N24(-0.25,5.5) N25(-0.25,6) P1(0.25,-6) P2(0.25,-5.5) P3(0.25,-5) P7(0.25,-3) P9(0.25,-2) P12(0.25,-0.5) P13(0.25,0) P14(0.25,0.5) P15(0.25,1) P16(0.25,1.5) P18(0.25,2.5) P24(0.25,5.5) R2(0.75,-5.5) R3(0.75,-5) R9(0.75,-2) R10(0.75,-1.5) R11(0.75,-1) R12(0.75,-0.5) R13(0.75,0) R14(0.75,0.5) R21(0.75,4) R25(0.75,6) T1(1.25,-6) T2(1.25,-5.5) T4(1.25,-4.5) T5(1.25,-4) T6(1.25,-3.5) T9(1.25,-2) T11(1.25,-1) T12(1.25,-0.5) T13(1.25,0) T14(1.25,0.5) T15(1.25,1) T17(1.25,2) T19(1.25,3) T20(1.25,3.5) T21(1.25,4) T23(1.25,5) T24(1.25,5.5) T25(1.25,6) U3(1.75,-5) U4(1.75,-4.5) U5(1.75,-4) U6(1.75,-3.5) U7(1.75,-3) U8(1.75,-2.5) U9(1.75,-2) U11(1.75,-1) U12(1.75,-0.5) U13(1.75,0) U17(1.75,2) U23(1.75,5) U24(1.75,5.5) V1(2.25,-6) V2(2.25,-5.5) V3(2.25,-5) V15(2.25,1) V16(2.25,1.5) V17(2.25,2) V18(2.25,2.5) V19(2.25,3) V20(2.25,3.5) V21(2.25,4) V23(2.25,5) V24(2.25,5.5) V25(2.25,6) W1(2.75,-6) W2(2.75,-5.5) W3(2.75,-5) W5(2.75,-4) W6(2.75,-3.5) W8(2.75,-2.5) W10(2.75,-1.5) W14(2.75,0.5) W15(2.75,1) W18(2.75,2.5) W19(2.75,3) W20(2.75,3.5) W21(2.75,4) W22(2.75,4.5) W23(2.75,5) W24(2.75,5.5) W25(2.75,6) Y2(3.25,-5.5) Y3(3.25,-5) Y4(3.25,-4.5) Y5(3.25,-4) Y6(3.25,-3.5) Y7(3.25,-3) Y9(3.25,-2) Y10(3.25,-1.5) Y11(3.25,-1) Y14(3.25,0.5) Y15(3.25,1) Y18(3.25,2.5) Y24(3.25,5.5) Y25(3.25,6)
TP2050
  round 0.508 smd: 1(0,0)
TP3050
  round 0.762 smd: 1(0,0)
UCSP12-BGA-MAX3390EEBC
  round 0.254 smd: A1(-0.5,-0.75) A2(-0.5,-0.25) A3(-0.5,0.25) A4(-0.5,0.75) B1(0,-0.75) B2(0,-0.25) B3(0,0.25) B4(0,0.75) C1(0.5,-0.75) C2(0.5,-0.25) C3(0.5,0.25) C4(0.5,0.75)
unnamed
  round 1.016 smd: 1(0,0)
USB2X12-DFHS24FR333_CX90B1
  round 0.635 hole 0.635 unplated: (-3.6,-1.3)
  oval 0.889x0.508 hole 0.889x0.508 unplated: (3.6,-1.235)
  rect 0.254x0.965 smd: A1(-2.625,1.4) A2(-2.125,1.4) A3(-1.625,1.4) A4(-1.125,1.4) A5(-0.625,1.4) A6(-0.125,1.4) A7(0.375,1.4) A8(0.875,1.4) A9(1.375,1.4) A10(1.875,1.4) A11(2.375,1.4) A12(2.875,1.4)
  rect 0.254x0.864 smd: B1(2.625,-0.2) B2(2.125,-0.2) B3(1.625,-0.2) B4(1.125,-0.2) B5(0.625,-0.2) B6(0.125,-0.2) B7(-0.375,-0.2) B8(-0.875,-0.2) B9(-1.375,-0.2) B10(-1.875,-0.2) B11(-2.375,-0.2) B12(-2.875,-0.2)
  oval 1.219x2.54 hole 0.66x1.956: SH1(-4.32,0.7) SH2(4.32,0.7)
  oval 1.219x2.54 hole 0.711x2.032: SH3(-4.32,-4.35) SH4(4.32,-4.35)
  oval 1.651x1.346 hole 1.27x0.762: SH5(-3.955,0.1) SH6(3.955,0.1)
WLCSP10_0P4_1P2X1P6MM_SMDP
  round 0.203 smd: A1(-0.6,0.4) A2(-0.2,0.4) A3(0.2,0.4) A4(0.6,0.4) B1(-0.4,0) B2(0.4,0) C1(-0.6,-0.4) C2(-0.2,-0.4) C3(0.2,-0.4) C4(0.6,-0.4)
